# Altium PCB RevA2.PcbDoc (part 5 of 6) (continued)
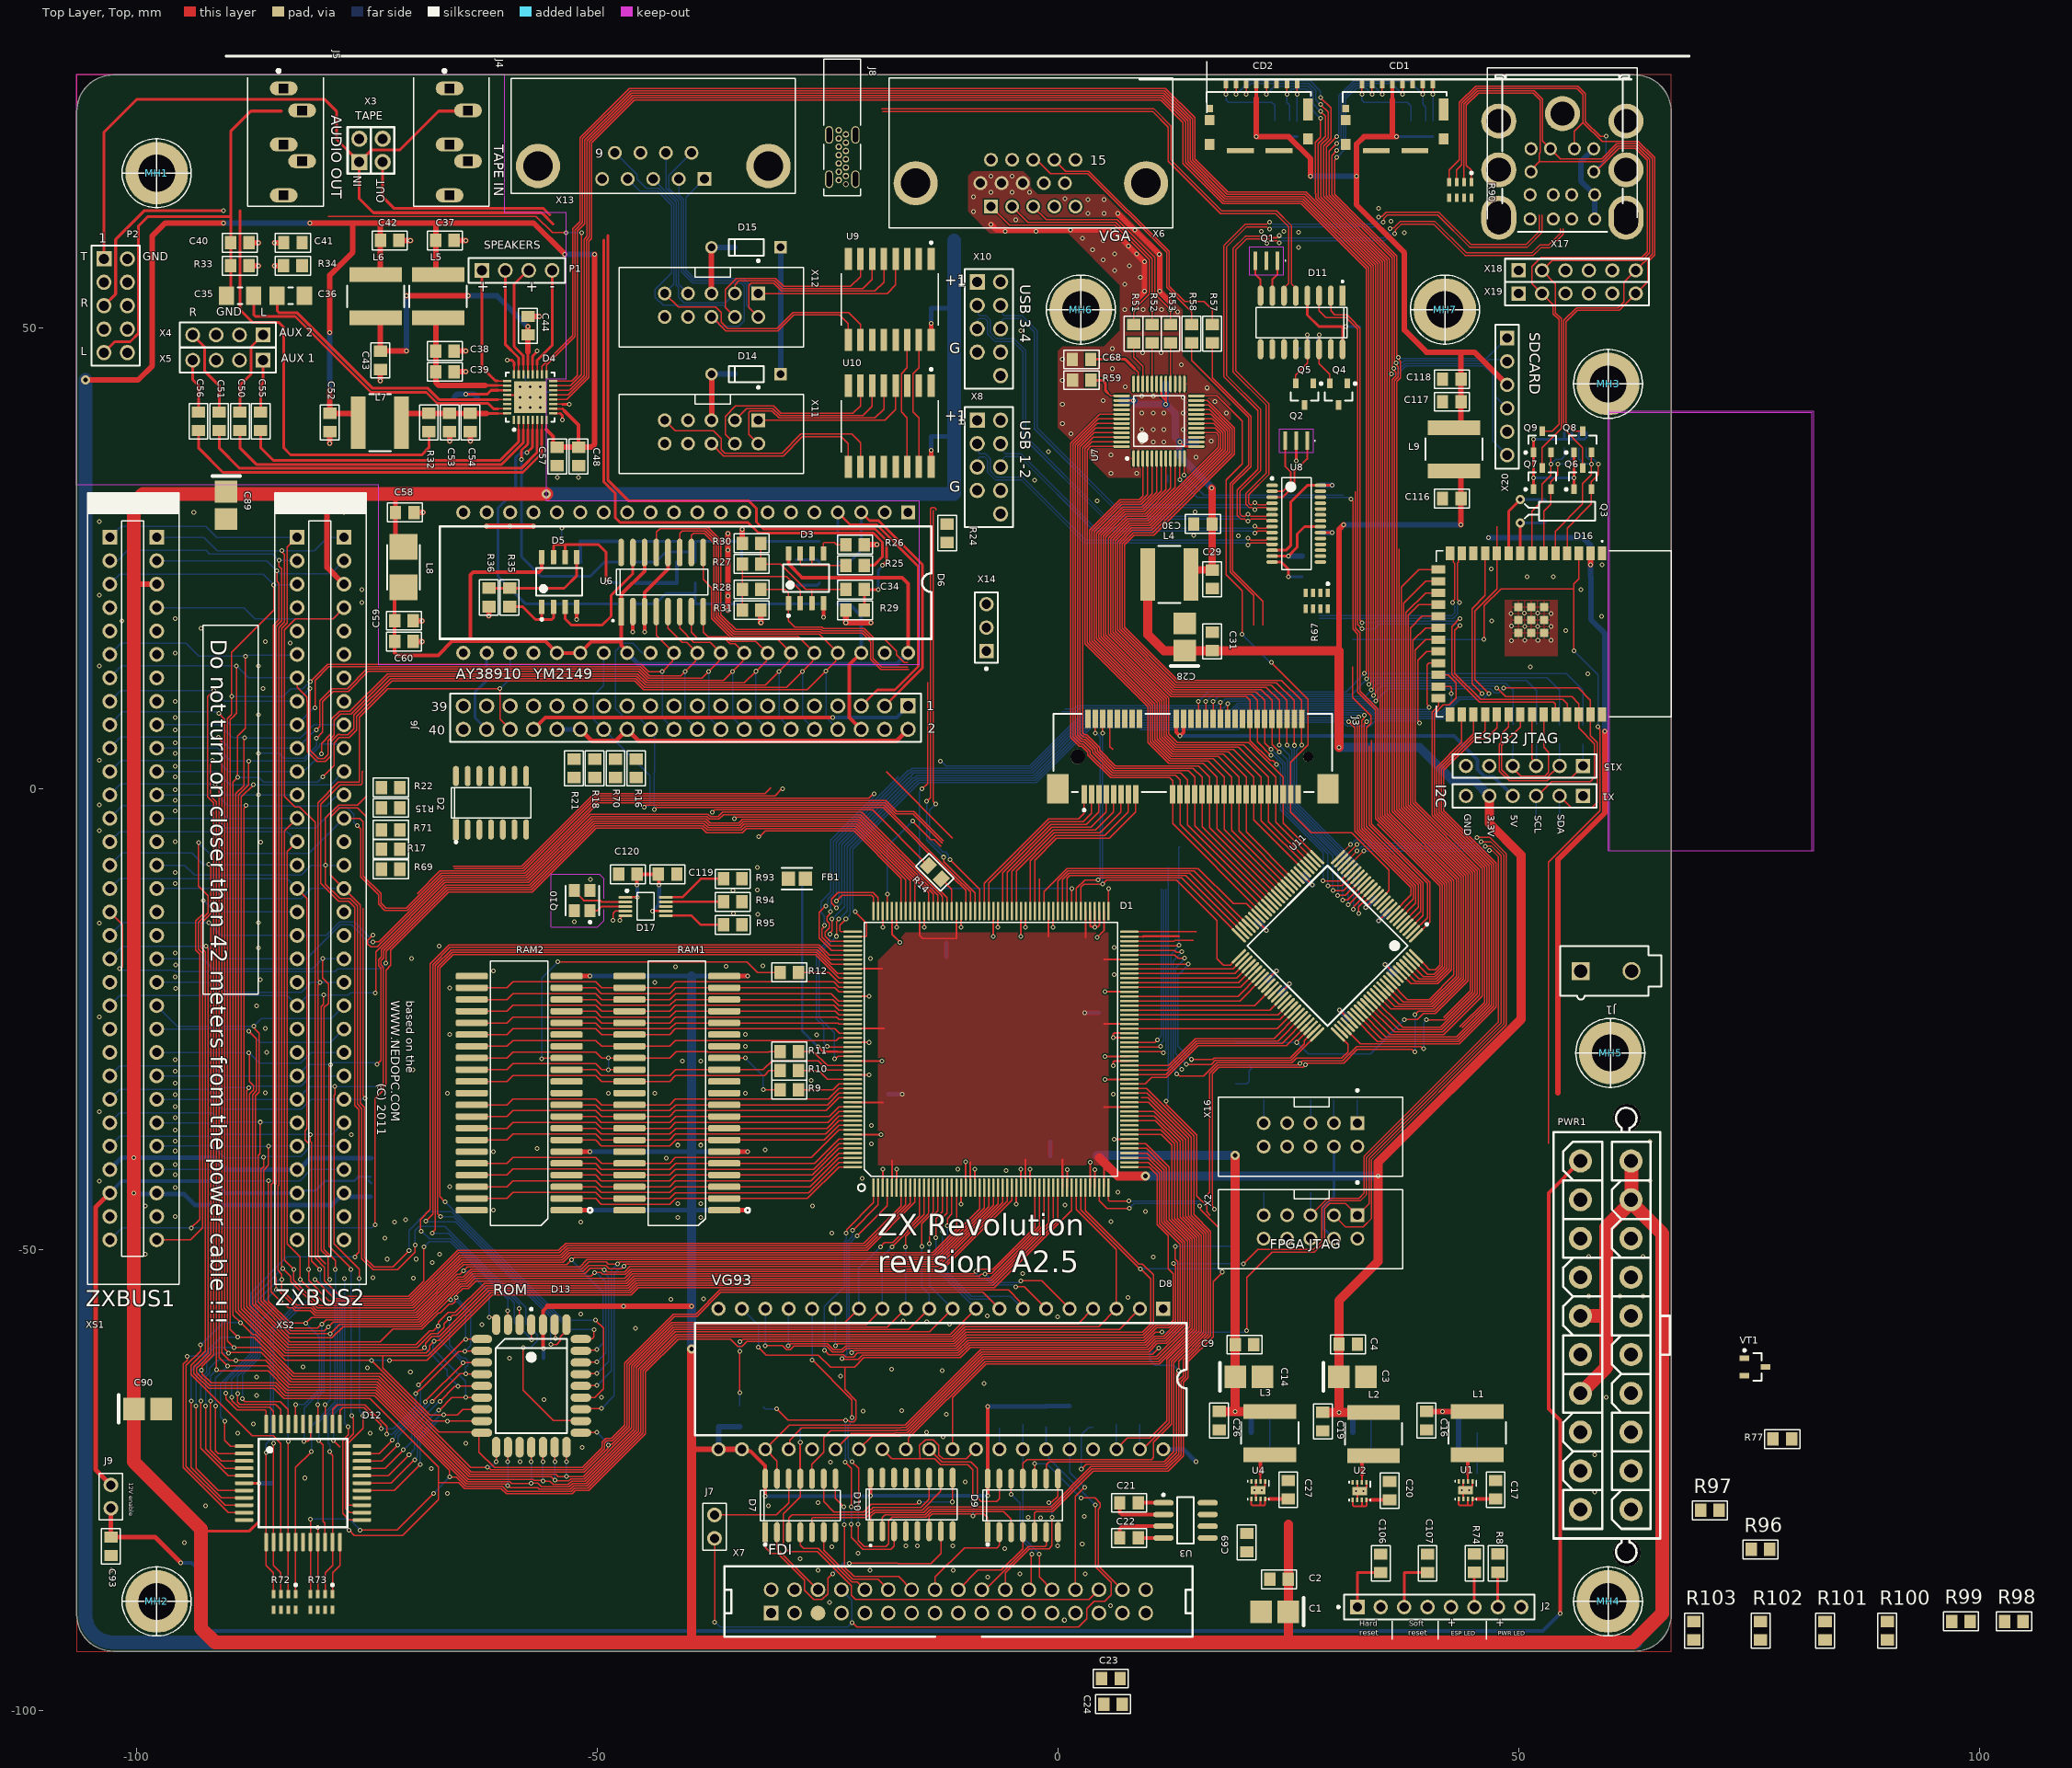
[diagram p0: Top Layer, Top view]
## Nets (pads, with @x,y where several pads share a name; then routed paths per layer and width w, separated by ;. In a path a pad name is that pad's centre, name@x,y a point inside that pad or via, vN(x,y) a via of type N, cw(c..) or ccw(c..) an arc to the next point about the centre after c; other vN are vias at no path point) (continued)
RD14: D1.205 RAM1.40 RAM2.40 | length 43.4
  Top Layer, Top w0.127: RAM2.40@-63.587,-43.16 -59.75,-43.16 -59.106,-42.516 -50.144,-42.516 -49.5,-43.16 RAM1.40@-46.487,-43.16 -42.125,-43.16 -41.491,-42.526 -26.776,-42.526 -23.75,-39.5 D1.205@-22.25,-39.5
RD15: D1.207 RAM1.41 RAM2.41 | length 43.5
  Top Layer, Top w0.127: RAM2.41@-63.587,-44.43 -59.75,-44.43 -59.106,-43.786 -50.144,-43.786 -49.5,-44.43 RAM1.41@-46.487,-44.43 -42.125,-44.43 -41.491,-43.796 -27.046,-43.796 -23.749,-40.5 D1.207@-22.25,-40.5
RES_1: D1.142 D2.3 R21.1 | length 27.4
  Top Layer, Top w0.127: v1(-35.093,-3.241) -35.042,-3.241 -34.833,-3.032 -21.491,-3.032 -13,-11.523 D1.142@-13,-13.25
RI_TTL: D11.11
right_ch1_3: C49.1 C63.2 R37.2 R45.1 R47.1 | length 16.5
  Bottom Layer, Bottom w0.3: C49.1@-45.801,20.095 -43.625,20.095 -42.5,21.22 -39.351,21.22 ; R37.2@-39.351,22.345 -39.351,21.22 ; R47.1@-34.301,22.345 C63.2@-34.301,20.095 R45.1@-39.351,20.095 -39.351,21.22
right_ch2_3: C51.2 D4.6 | length 41.5
  Top Layer, Top w0.127: -56.5,39 D4.6@-56.5,40.025
  Top Layer, Top w0.3: C51.2@-91,38.89 -91,37 -88.777,34.777 -58.225,34.777 -56.5,36.502 -56.5,39
right_ch3_3: C56.2 D4.7 | length 44.7
  Top Layer, Top w0.127: -56,39 D4.7@-56,40.025
  Top Layer, Top w0.3: C56.2@-93.25,38.89 -93.25,37 -90.6,34.35 -58.048,34.35 -56,36.398 -56,39
ROMPG2: D1.164 D13.2 | length 90.4
  Top Layer, Top w0.127: v1(-67.9,-48.2) -67.9,-48.107 -67.575,-47.782 -67.575,-19.191 -65.834,-17.449 -26.083,-17.449 -24.532,-19 D1.164@-22.25,-19 ; v1(-58.428,-56.379) -58.414,-56.393 -58.414,-57.798 D13.2@-58.388,-57.824
  Bottom Layer, Bottom w0.127: v1(-67.9,-48.2) -66.129,-48.2 -58.443,-55.886 -58.443,-56.365 v1(-58.428,-56.379)
ROMPG3: D1.163 D13.30 | length 99.4
  Top Layer, Top w0.127: v1(-68.6,-46.9) -67.829,-46.129 -67.829,-19.085 -65.939,-17.195 -25.977,-17.195 -24.673,-18.5 D1.163@-22.25,-18.5 ; v1(-55.005,-60.28) -54.982,-60.257 -54.405,-60.257 -53.979,-59.831 -53.979,-59.444 -53.306,-58.771 D13.30@-53.306,-57.858
  Bottom Layer, Bottom w0.127: v1(-68.6,-46.9) -68.525,-46.975 -67.603,-46.975 -67.594,-46.983 -65.354,-46.983 -57.008,-55.329 -55.029,-57.308 -55.029,-60.256 v1(-55.005,-60.28)
ROMPG4: D1.162 D13.1 | length 96.7
  Top Layer, Top w0.127: v1(-69.1,-48) -69.175,-47.925 -69.175,-46.725 -68.083,-45.633 -68.083,-18.98 -66.044,-16.941 -25.872,-16.941 -24.814,-18 D1.162@-22.25,-18 ; v1(-57.1,-59.75) -57.115,-59.735 -57.115,-57.857 D13.1@-57.1,-57.842
  Bottom Layer, Bottom w0.127: v1(-69.1,-48) -69,-48 -68.175,-48.825 -65.864,-48.825 -58.963,-55.725 -58.963,-57.887 v1(-57.1,-59.75)
ROUT_3: C36.1 D4.29 | length 30.6
  Top Layer, Top w0.127: -60.75,42.25 D4.29@-59.725,42.25
  Top Layer, Top w0.3: C36.1@-84.7,53.5 -84.7,51.853 -84.524,51.677 -82.567,51.677 -74.344,43.454 -68.354,43.454 -67.15,42.25 -60.75,42.25
ROUT_PH_3: C36.2 C41.2 J5.3 P2.5 R34.2 | length 20.7
  Top Layer, Top w0.3: P2.5@-103.5,52.42 -102.232,53.688 -102.232,59.609 -99.091,62.75 v1(-90.545,62.75)
RS_1: D13.29 R17.2 XS1.A16 XS2.A16 | length 111.6
  Top Layer, Top w0.127: -75.028,-3 -75.978,-2.05 -77.926,-2.05 -78.95,-3.073 -78.95,-9.32 XS2.A16@-77.46,-10.81 -76.685,-11.585 -76.671,-11.585 -75.68,-12.576 -75.68,-34.082 -75.225,-34.537 -75.225,-50.828 -74.188,-51.865 -72.165,-51.865 v1(-70.4,-50.1) ; D13.29@-51.385,-59.62 -50.488,-59.62 -50.317,-59.449 -50.317,-58.671 v1(-50.3,-58.653)
  Bottom Layer, Bottom w0.127: XS1.A16@-97.78,-10.81 -91.54,-10.81 -90.465,-11.885 -82.095,-11.885 -81.02,-10.81 XS2.A16@-77.46,-10.81 ; v1(-70.4,-50.1) -70.4,-47.887 -68.388,-45.875 -65.744,-45.875 -56.5,-55.119 -52.965,-58.653 v1(-50.3,-58.653)
RTS: D11.14 Q4.2 R80.4 | length 7.8
  Top Layer, Top w0.127: v1(28.35,49.25) D11.14@28.35,47.7 28.35,46.15 29.5,45 Q4.2@29.5,43.569
  Bottom Layer, Bottom w0.127: R80.4@28.1,47.75 28.1,48.989 28.35,49.239 v1(28.35,49.25)
S\D\0\_\S\S\E\L\_13: CD1.2 U11.92 | length 122.7
  Top Layer, Top w0.127: v1(19.35,75.35) CD1.2@19.35,76.5 ; v1(28.5,75) 29.625,73.875 29.625,70.542 28.844,69.761 28.844,64.288 35.745,57.388 35.745,-2.684 42.984,-9.923 42.984,-20.186 40.316,-22.854 37.93,-22.854 U11.92@36.051,-20.975
  Bottom Layer, Bottom w0.127: v1(19.35,75.35) 20.811,76.811 27.385,76.811 28.5,75.697 v1(28.5,75)
S\D\1\_\S\S\E\L\_13: CD2.2 U11.88 X20.1 | length 131
  Top Layer, Top w0.127: v1(30.269,68.5) 30.269,68.412 30.044,68.187 30.044,64.525 36.761,57.808 36.761,47.099 36.971,46.89 v1(36.971,46.838) 37.035,46.774 37.035,46.534 37.18,46.389 37.18,44.598 36.761,44.179 36.761,-2.263 44,-9.503 44,-20.606 40.737,-23.87 36.118,-23.87 U11.88@34.637,-22.389 ; v1(34.1,75.35) CD2.2@34.1,76.5
  Bottom Layer, Bottom w0.127: v1(30.269,68.5) 30.269,68.518 31.254,69.502 31.254,74.866 32.41,76.022 33.428,76.022 v1(34.1,75.35) ; v1(36.971,46.838) 37.068,46.838 37.231,46.675 46.51,46.675 X20.1@48.75,48.915
S\I\D\E\_6: D9.10 X7.32 | length 21.1
  Top Layer, Top w0.127: D9.10@-2.53,-74.82 -2.516,-74.805 v1(-2.516,-73.194) ; v1(2.5,-76.913) 4.052,-76.913 4.609,-77.47 4.609,-77.905 4.384,-78.13 4.384,-84.258 X7.32@6.995,-86.87
  Bottom Layer, Bottom w0.127: v1(-2.516,-73.194) -1.219,-73.194 v1(2.5,-76.913)
S\O\F\T\R\S\T\_1: U8.17 U11.4 | length 34.2
  Top Layer, Top w0.127: v1(33.493,7.286) 33.493,7.268 33.25,7.025 33.25,-4.184 39.348,-10.282 39.348,-13.294 U11.4@37.819,-14.823
  Bottom Layer, Bottom w0.127: v1(33.493,7.286) 33.544,7.286 33.888,7.629 42.153,7.629
S\P\I\_\S\L\A\V\E\_\I\R\Q\_1: D1.159 D16.25 | length 90.6
  Top Layer, Top w0.127: v1(-24.661,-13.326) -24.747,-13.412 -24.747,-13.624 -24.776,-13.653 -25.025,-13.902 -25.025,-14.337 -24.8,-14.562 -24.8,-15.065 -25.252,-15.518 -25.252,-15.952 -24.705,-16.5 D1.159@-22.25,-16.5 ; D16.25@41.312,11.11 42.562,11.11 42.688,10.984 v1(42.688,10.359)
  Bottom Layer, Bottom w0.127: v1(-24.661,-13.326) -24.661,-12.045 -24.051,-11.435 -24.051,-5.801 -16.28,1.97 -16.085,1.97 -15.831,2.224 -2.961,2.224 3.031,8.217 18.791,8.217 19.593,9.019 33.907,9.019 34.535,8.391 41.59,8.391 42.688,9.49 v1(42.688,10.359)
S\P\I\_\S\L\A\V\E\_\S\S\E\L\_1: D1.182 U11.5 | length 114.5
  Top Layer, Top w0.127: v1(-25.018,-27.925) -24.943,-28 D1.182@-22.25,-28 ; v1(-24.727,-15.735) -24.727,-15.613 -24.5,-15.386 v1(-24.5,-14.119) ; v1(33.25,8) 33.216,7.966 33.216,7.665 32.996,7.444 32.996,-4.29 39.094,-10.387 39.094,-12.841 U11.5@37.466,-14.469
  Bottom Layer, Bottom w0.127: v1(-25.018,-27.925) -25.42,-27.523 -25.42,-25.704 -26.169,-24.955 -26.169,-17.703 -24.727,-16.261 v1(-24.727,-15.735) ; v1(-24.5,-14.119) -23.151,-12.77 -23.151,-6.174 -15.769,1.208 -15.574,1.208 -15.32,1.462 -2.646,1.462 3.347,7.455 19.106,7.455 19.909,8.257 32.99,8.257 33.247,8 v1(33.25,8)
S\T\A\T\U\S\_1: D1.52 D16.12 R87.1 | length 121.1
  Top Layer, Top w0.127: D1.52@5.5,-43.25 5.5,-44.613 5.588,-44.701 v1(7.704,-44.701) ; v1(16.997,-45.563) 16.997,-45.475 16.772,-45.25 16.772,-30.908 17.468,-30.212 25.734,-30.212 25.736,-30.213 26.595,-30.213 v1(26.873,-29.936) ; v1@26.918,-29.942 27.134,-29.726 31.015,-29.726 32.495,-28.247 38.437,-28.247 38.69,-28.5 v1(38.75,-28.5) ; 37.015,26.048 37.015,-2.158 44.254,-9.397 44.254,-20.712 40.842,-24.124 39.121,-24.124 v1(38.748,-24.497)
  Bottom Layer, Bottom w0.127: v1(7.704,-44.701) 16.135,-44.701 v1(16.997,-45.563) ; 19.25,-32 20.5,-32 20.75,-31.75 20.75,-30.579 21.116,-30.213 26.595,-30.213 v1(26.873,-29.936) ; v1(38.748,-24.497) 38.75,-24.499 v1(38.75,-28.5)
S\T\E\P\_6: D9.6 X7.20 | length 10.5
  Top Layer, Top w0.127: X7.20@-8.245,-86.87 -8.093,-86.718 -7.736,-86.718 -3.189,-82.171 -1.394,-82.171 -1.26,-82.037 D9.6@-1.26,-80.52
SCLK_1: J3.10 U11.1 | length 24.4
  Top Layer, Top w0.127: 34.012,5.273 34.012,-3.809 34.406,-4.203 40.349,-10.146 40.349,-14.415 39.799,-14.964 U11.1@38.88,-15.884
SD0_MISO_13: CD1.7 R91.3 U11.97 | length 114.1
  Top Layer, Top w0.127: v1(24.85,75.35) CD1.7@24.85,76.5 ; v1@28.5,72.737 28.5,70.689 27.945,70.134 27.945,64.582 27.991,64.536 27.991,64.065 34.983,57.072 34.983,-3 42.222,-10.239 42.222,-19.415 41.027,-20.61 39.222,-20.61 U11.97@37.819,-19.207
  Bottom Layer, Bottom w0.127: R91.3@25.15,72.49 25.15,74.2 24.85,74.5 v1(24.85,75.35) 25.411,75.911 27.013,75.911 27.375,75.549 27.375,73.883 28.5,72.758 v1(28.5,72.75)
SD0_MOSI_13: CD1.3 U11.95 | length 118.8
  Top Layer, Top w0.127: v1(20.45,75.35) CD1.3@20.45,76.5 ; v1(28.5,74.25) 28.5,74.242 29.325,73.417 29.325,70.666 28.544,69.885 28.544,64.229 35.491,57.282 35.491,-2.789 42.73,-10.029 42.73,-19.625 41.238,-21.118 38.316,-21.118 U11.95@37.112,-19.914
  Bottom Layer, Bottom w0.127: v1(20.45,75.35) 20.45,76.026 20.935,76.511 27.261,76.511 27.975,75.797 27.975,74.783 28.5,74.258 v1(28.5,74.25)
SD0_SCLK_13: CD1.5 U11.96 | length 114.8
  Top Layer, Top w0.127: v1(22.65,75.35) CD1.5@22.65,76.5 ; v1(28.5,73.5) 28.5,73.492 29.025,72.967 29.025,70.79 28.245,70.01 28.245,64.17 35.237,57.177 35.237,-2.895 42.476,-10.134 42.476,-19.52 41.132,-20.864 38.769,-20.864 U11.96@37.466,-19.561
  Bottom Layer, Bottom w0.127: v1(22.65,75.35) 23.511,76.211 27.137,76.211 27.675,75.673 27.675,74.325 v1(28.5,73.5)
SD1_MISO_13: CD2.7 R92.3 U11.91 X20.6 | length 147.4
  Top Layer, Top w0.127: v1(30.263,70.75) 30.257,70.75 29.144,69.637 29.144,64.347 35.999,57.493 35.999,45.312 36.075,45.236 ; U11.91@35.698,-21.328 37.477,-23.108 40.421,-23.108 43.238,-20.291 43.238,-9.818 35.999,-2.579 35.999,44.739 36.112,44.852 36.112,45.096 v1@36.104,45.105 ; 36.075,45.234 36.205,45.105 v1@36.104,45.105 ; v1(36.209,45) v1@36.104,45.105 ; v1(39.6,75.35) CD2.7@39.6,76.5
  Bottom Layer, Bottom w0.127: v1(30.263,70.75) 30.263,70.788 30.492,71.017 30.492,75.182 32.094,76.784 38.166,76.784 v1(39.6,75.35) 39.6,74.3 39.9,74 R92.3@39.9,72.458 ; v1(36.209,45) 36.852,45 37.764,45.913 46.263,45.913 47.2,44.976 47.2,37.765 X20.6@48.75,36.215
SD1_MOSI_13: CD2.3 U11.89 X20.2 | length 131.4
  Top Layer, Top w0.127: v1(30.259,69.25) 30.259,69.232 29.744,68.717 29.744,64.466 36.507,57.703 36.507,46.458 36.717,46.248 v1(36.717,46.197) 36.788,46.125 36.788,45.928 36.803,45.914 36.926,45.79 36.926,44.703 36.507,44.284 36.507,-2.369 43.746,-9.608 43.746,-20.501 40.632,-23.616 36.571,-23.616 U11.89@34.991,-22.036 ; v1(35.2,75.35) CD2.3@35.2,76.5
  Bottom Layer, Bottom w0.127: v1(30.259,69.25) 30.259,69.267 31,70.007 31,74.972 32.304,76.276 34.274,76.276 v1(35.2,75.35) ; v1(36.717,46.197) 36.744,46.224 37.357,46.224 37.554,46.421 46.615,46.421 46.784,46.59 48.535,46.59 X20.2@48.75,46.375
SD1_SCLK_13: CD2.5 U11.90 X20.4 | length 137.4
  Top Layer, Top w0.127: v1(30.25,70) 30.25,69.983 29.444,69.178 29.444,64.407 36.253,57.598 36.253,45.859 36.401,45.712 36.401,45.463 36.496,45.463 36.534,45.426 36.534,45.33 36.672,45.192 36.672,44.808 36.253,44.389 36.253,-2.474 43.492,-9.713 43.492,-20.396 40.527,-23.362 37.024,-23.362 U11.90@35.344,-21.682 ; v1@36.463,45.463 v1(36.463,45.598) ; v1(37.4,75.35) CD2.5@37.4,76.5
  Bottom Layer, Bottom w0.127: v1@30.255,70 30.746,70.491 30.746,75.077 32.199,76.53 36.22,76.53 v1(37.4,75.35) ; v1(36.463,45.598) 37.091,45.598 37.659,46.167 46.433,46.167 47.5,45.1 47.5,42.545 X20.4@48.75,41.295
SDVCC_3V3: C117.1 C118.1 CD1.4 CD2.4 L9.2 R91.5 R91.6 R91.7 R91.8 R92.5 R92.6 R92.7 R92.8 X20.3 | length 82.8
  Top Layer, Top w0.4: 21.55,74.89 CD1.4@21.55,76.5 ; 36.3,74.75 CD2.4@36.3,76.5
  Top Layer, Top w0.6: 21.55,74.89 v1(21.55,70.75) 25.053,70.75 27.42,68.383 v1(27.42,66.5) ; 36.3,74.75 36.3,70.75 ; v1(36.732,70.75) 36.3,70.75 ; L9.2@43,39.2 43.25,39.2 43.75,39.7 C117.1@43.75,42 C118.1@43.75,44.445 43.75,47.375 ; X20.3@48.75,43.835 45.21,47.375 43.75,47.375 ; 36.3,70.75 33.214,70.75 32.407,69.943 v1(32.407,66.5) 32.407,63.36 37.608,58.159 37.608,49.767 40,47.375 43.75,47.375
  Bottom Layer, Bottom w0.3: v1(21.55,70.75) 24.917,70.75 24.925,70.758 R91.5@25.95,70.758 ; v1@36.74,70.758 R92.5@40.7,70.758
  Bottom Layer, Bottom w0.6: v1(27.42,66.5) v1(32.407,66.5) ; v1(36.732,70.75) v1@36.74,70.758
SPI_EXT.S\S\E\L\_1: J3.16 U11.100 | length 21.5
  Top Layer, Top w0.127: 34.692,-3.787 40.349,-9.443 41.46,-10.555 41.46,-11.111 41.46,-19.099 40.963,-19.596 40.817,-19.596 40.329,-19.596 39.799,-19.066 U11.100@38.88,-18.146
SPI_HOST.MISO_1: D1.115 U11.48 | length 26
  Top Layer, Top w0.127: D1.115@0.5,-13.25 0.5,-9.848 1.202,-9.146 14.323,-9.146 U11.48@20.354,-15.177
SPI_HOST.MOSI_1: D1.116 U11.47 | length 26.9
  Top Layer, Top w0.127: D1.116@0,-13.25 0,-9.989 1.097,-8.892 14.776,-8.892 U11.47@20.707,-14.823
SPI_HOST.S\S\E\L\_1: D1.119 U11.44 | length 28.5
  Top Layer, Top w0.127: D1.119@-1.5,-13.25 -1.5,-11.129 0.991,-8.638 15.229,-8.638 19.038,-12.447 20.452,-12.447 U11.44@21.768,-13.762
SPI_HOST.SCLK_1: D1.114 U11.49 | length 25.2
  Top Layer, Top w0.127: D1.114@1,-13.25 1,-9.707 1.307,-9.4 13.87,-9.4 U11.49@20,-15.53
SPI_SLAVE.MISO_1: D1.158 U11.8 | length 95.5
  Top Layer, Top w0.127: D1.158@-22.25,-16 -20.838,-16 -20.75,-15.912 -20.75,-14.576 v1(-22,-13.326) ; v1(31.565,7.286) 31.57,7.286 32.234,6.622 32.234,-4.605 38.332,-10.703 38.332,-11.482 U11.8@36.405,-13.409
  Bottom Layer, Bottom w0.127: v1(-22,-13.326) -22,-13.263 -22.25,-13.013 -22.25,-6.546 -15.004,0.7 -2.33,0.7 3.662,6.693 19.422,6.693 20.224,7.495 31.304,7.495 31.514,7.286 v1(31.565,7.286)
SPI_SLAVE.MOSI_1: D1.157 U11.7 | length 96.1
  Top Layer, Top w0.127: v1(-23,-14.119) -23.634,-14.753 -23.634,-15.412 -23.546,-15.5 D1.157@-22.25,-15.5 ; v1(32.215,7.296) 32.488,7.024 32.488,-4.5 38.586,-10.598 38.586,-11.935 U11.7@36.758,-13.762
  Bottom Layer, Bottom w0.127: v1(-23,-14.119) -22.55,-13.669 -22.55,-6.421 -15.429,0.7 -15.364,0.7 -15.11,0.954 -2.435,0.954 3.557,6.947 19.317,6.947 20.119,7.749 31.762,7.749 v1(32.215,7.296)
SPI_SLAVE.SCLK_1: D1.184 U11.6 | length 113.6
  Top Layer, Top w0.127: v1(-24.227,-29.25) -24.105,-29.25 -23.855,-29 D1.184@-22.25,-29 ; v1(-24.017,-15.975) -24.017,-14.432 -23.75,-14.165 v1(-23.75,-14.119) ; v1(32.634,7.794) 32.634,7.693 32.742,7.584 32.742,-4.395 38.84,-10.493 38.84,-12.04 38.84,-12.388 U11.6@37.112,-14.116
  Bottom Layer, Bottom w0.127: -25.869,-24.768 -25.869,-17.827 v1(-24.017,-15.975) ; -25.824,-24.875 -24.227,-26.473 v1(-24.227,-29.25) ; v1(-23.75,-14.119) -22.85,-13.219 -22.85,-6.297 -15.599,0.954 -15.469,0.954 -15.215,1.208 -2.541,1.208 3.452,7.201 19.211,7.201 20.014,8.003 32.373,8.003 32.582,7.794 v1(32.634,7.794)
  Bottom Layer, Bottom w0.15: -25.869,-24.768 ccw(c-25.719,-24.768) -25.824,-24.875
SPK_LN_3: D4.23 P1.2 | length 11.9
  Top Layer, Top w0.127: D4.23@-58.5,45 -58.5,46.025
  Top Layer, Top w0.3: P1.2@-59.96,56.25 -59.96,48.235 -58.5,46.775 -58.5,46.025
SPK_LP_3: D4.25 P1.1 | length 13.9
  Top Layer, Top w0.127: -60.775,44.25 D4.25@-59.75,44.25
  Top Layer, Top w0.3: P1.1@-62.5,56.25 -62.5,45.75 -61,44.25 -60.775,44.25
SPK_RN_3: D4.19 P1.4 | length 11.9
  Top Layer, Top w0.127: D4.19@-56.5,44.975 -56.5,46
  Top Layer, Top w0.3: -56.5,46 -56.5,46.5 -54.88,48.12 P1.4@-54.88,56.25
SPK_RP_3: D4.22 P1.3 | length 12.3
  Top Layer, Top w0.127: D4.22@-58,45 -58,46.025
  Top Layer, Top w0.3: -58,46.025 -58,47 -59,48 -59,54.75 P1.3@-57.5,56.25
SPKGND: C37.2 C38.2 C39.2 C42.2 C43.2 C44.2 D4.20 D4.24 NT2.2 | length 12.4
  Top Layer, Top w0.127: -59,45.85 -58.975,45.875
  Top Layer, Top w0.2: D4.24@-59,44.975 -59,45.85 ; D4.20@-57,44.975 -57,46
  Top Layer, Top w0.3: v1(-59.725,46.5) -59.225,46.5 -58.992,46.267 -58.992,45.892 ; -57,46 -57,46.939 -56.5,47.439 v1(-56.5,47.5)
  Top Layer, Top w0.6: v1(-73.5,44.25) C43.2@-73.5,45.5 ; C42.2@-71.5,59.5 v1(-70.25,59.5) ; C39.2@-65.5,45.25 v1(-64.226,45.25) ; C38.2@-65.5,47.5 v1(-64.226,47.5) ; C37.2@-65.5,59.5 v1(-64.25,59.5) ; C44.2@-57.5,51.25 v1(-56.25,51.25)
STB_3V3: C15.2 C16.1 C81.1 C104.1 C105.1 D11.4 D11.16 D16.2 J2.5 L1.2 R2.2 R80.1 R80.2 | length 97.9
  Top Layer, Top w0.3: D11.4@27.08,53.5 27.08,51.413 28.313,50.18 30.89,50.18 ; D11.16@30.89,47.7 30.89,50.18 ; v1(31.25,50.18) 30.89,50.18
  Top Layer, Top w0.6: C16.1@40,-67.525 v1(41.75,-67.525) L1.2@45.5,-67.525 ; 54.25,-32.962 54.25,-7.692 59.362,-2.58 v1(59.362,6.25) ; v1(57.795,24.309) 57.795,25.568 D16.2@57.802,25.575
  Bottom Layer, Bottom w0.3: R80.1@25.7,47.75 26.287,47.75 ; v1(31.25,50.18) C81.1@32.75,50.18
  Bottom Layer, Bottom w0.6: v1(41.75,-67.525) 43.5,-67.525 43.5,-71.05 C15.2@43.5,-72.075 ; v1(46.75,27.25) 56.989,27.25 57.795,26.444 v1(57.795,24.309) 57.802,24.302 C105.1@57.802,23 ; C105.1@57.849,23 57.849,18.364 59.362,16.851 v1(59.362,6.25)
STEP_1: D1.46 D8.15 D9.5 | length 108.4
  Top Layer, Top w0.127: v1(-24.137,-60.385) -24.086,-60.385 -23.876,-60.175 -11.228,-60.175 -9.971,-58.918 9.159,-58.918 10.062,-58.015 10.062,-53.156 v1(8.961,-52.054) 8.88,-52.054 2.5,-45.674 D1.46@2.5,-43.25 ; D9.5@-2.53,-80.52 -2.53,-78.56 -2.35,-78.38 -0.554,-78.38 3.82,-74.005 11.952,-74.005 13.614,-72.343 13.614,-64.354 14.109,-63.859 14.109,-62.142 16.841,-59.41 16.841,-53.46 v1@17.827,-52.474
  Bottom Layer, Bottom w0.127: v1(-24.137,-60.385) -24.128,-60.376 -24.128,-56.398 D8.15@-24.12,-56.39 ; v1(8.961,-52.054) 17.428,-52.054 17.771,-52.398 v1(17.827,-52.398)
T\R\0\0\_6: D8.34 R61.1 X7.26 | length 19.3
  Top Layer, Top w0.127: v1(-2.004,-83) -2.004,-85.491 X7.26@-0.625,-86.87
  Bottom Layer, Bottom w0.127: R61.1@-3.8,-68.902 D8.34@-3.8,-71.63 -3.8,-81.191 -2.004,-82.987 v1(-2.004,-83)
TAPE_BIT_1: D3.1 D16.23 R28.1 | length 83.7
  Top Layer, Top w0.127: R28.1@-32.23,21.65 -29.578,21.65 -29.23,21.302 D3.1@-29.23,20.15 -29.23,18.23 -28.556,17.556 -25.588,17.556 -25.432,17.4 -21,17.4 -19.789,16.19 -18.769,16.19 -17.52,14.94 -17.52,14.58 -16.675,13.735 -16.25,13.735 ; v1(40.308,8.855) 40.308,8.943 40.083,9.168 40.083,13.452 40.281,13.65 D16.23@41.312,13.65
  Bottom Layer, Bottom w0.127: v1(-12.75,3.025) -12.662,3.025 -12.115,2.478 -3.067,2.478 2.953,8.497 18.049,8.497 18.096,8.544 18.759,8.544 19.488,9.273 34.012,9.273 34.64,8.645 40.047,8.645 40.257,8.855 v1(40.308,8.855)
TAPE_IN_3: C34.1 J4.2 P2.1 R29.2 X3.1 | length 157.5
  Top Layer, Top w0.3: P2.1@-103.5,57.5 -103.5,71.25 -99.918,74.832 -79.582,74.832 -78.286,73.536 ; -78.25,73.5 -78.25,70.46 X3.1@-75.79,68 ; J4.2@-64.006,73.536 -67.192,73.536 -71.423,69.306 -74.484,69.306 X3.1@-75.79,68 ; -54.75,61.271 -55.988,62.51 -74.26,62.51 -75.79,64.04 X3.1@-75.79,68 ; -48.8,60.053 -48.8,33.481 -46.55,31.231 -33.496,31.231 -32.695,30.43 -32.695,28.963 -31.931,28.2 -19.828,28.2 -18.584,26.957 -18.584,24.7 v1(-19.034,24.25) ; R29.2@-21,19.39 C34.1@-21,21.63 v1(-19.5,21.63)
  Bottom Layer, Bottom w0.3: v1(-19.5,21.63) -19.5,23.703 -19.034,24.169 v1(-19.034,24.25)
TAPE_OUT_4: R25.2 X3.3 | length 87.4
  Top Layer, Top w0.3: X3.3@-73.25,68 -73.25,64.211 -71.998,62.96 -55.802,62.96 -55.107,62.265 ; -49.25,59.523 -49.25,33.295 -48.022,32.067 -48.022,29.423 -47.494,28.894 -47.197,28.894 -47.191,28.888 -33.593,28.888 -32.455,27.75 -20.014,27.75 -19.034,26.77 -19.034,25.184 -19.969,24.25 R25.2@-21,24.25
TAPE_OUT_BIT_1: D1.134 R24.2 | length 46.9
  Top Layer, Top w0.127: v1(-14.225,-1.35) -13.837,-0.962 -13.837,30.374 -13.661,30.55 -13.413,30.55 -13.237,30.374 -13.237,30.217 ; v1(-12.393,-7.393) -12.393,-7.872 -9,-11.265 D1.134@-9,-13.25
  Bottom Layer, Bottom w0.127: v1(-14.225,-1.35) -14.225,-5.561 v1(-12.393,-7.393)
TCK_FPGA_1: D1.1 R23.2 U11.24 X2.1 | length 155.9
  Top Layer, Top w0.127: v1(-25.311,-60.893) -24.848,-61.356 -23.236,-61.356 -22.982,-61.61 -22.169,-61.61 -21.75,-61.191 -10.808,-61.191 -9.689,-60.072 9.442,-60.072 10.589,-58.925 v1(11.282,-58.925) ; v1(-22.974,-48.172) -22.919,-48.117 -22.919,-47.785 -20,-44.867 D1.1@-20,-43.25
  Top Layer, Top w0.15: v1(20.5,-58.75) 20.5,-53 23.25,-50.25 27.825,-50.25 28.931,-49.145 28.931,-45.523 29.49,-44.963 31.213,-44.963 X2.1@32.5,-46.25 33.771,-44.979 33.771,-40.094 48.376,-25.49 48.376,-7.13 46.97,-5.724 45.937,-5.724 v1(45.922,-5.74) ; U11.24@30.748,-7.752 v1(32.48,-6.02)
  Bottom Layer, Bottom w0.127: v1(-25.311,-60.893) -25.322,-60.882 -25.322,-56.125 -23.171,-53.974 -23.171,-49.08 -22.974,-48.883 v1(-22.974,-48.172) ; v1(11.282,-58.925) 20.239,-58.925 20.414,-58.75 v1(20.5,-58.75)
  Bottom Layer, Bottom w0.15: v1(32.48,-6.02) 32.545,-6.02 32.743,-5.822 33.559,-5.822 33.91,-6.173 45.489,-6.173 v1(45.922,-5.74)
TDI_FPGA_1: D1.153 R20.2 X2.9 | length 57.4
  Top Layer, Top w0.127: D1.153@-18.5,-13.25 v1(-18.5,-11.401) ; v1(-15.75,-3.5) -13.75,-5.5 -13.432,-5.5 -12.682,-6.25 ; v1(11.737,-33.869) 11.799,-33.931 11.799,-34.249 15.055,-37.506 15.055,-44.142 16.145,-45.232 16.145,-45.879 16.517,-46.25
  Bottom Layer, Bottom w0.127: v1(-18.5,-11.401) -18.503,-11.398 -18.503,-6.253 v1(-15.75,-3.5) ; v1(11.737,-33.869) 11.737,-33.818 11.999,-33.556 11.999,-8.507
  Bottom Layer, Bottom w0.15: X2.9@22.34,-46.25 R20.2@22.34,-43.75
TDO_CPLD_1: U11.25 X2.3 | length 70.8
  Top Layer, Top w0.15: X2.3@29.96,-46.25 31.21,-47.5 33.139,-47.5 34.048,-46.591 34.048,-40.209 48.653,-25.604 48.653,-7.015 48.198,-6.56 46.902,-5.265 45.478,-5.265 v1(45.462,-5.28) ; U11.25@30.394,-7.398 v1(31.773,-6.02)
  Bottom Layer, Bottom w0.15: v1(31.773,-6.02) 31.809,-6.02 32.284,-5.545 33.726,-5.545 34.077,-5.896 44.847,-5.896 v1(45.462,-5.28)
TDO_FPGA_1: D1.4 U11.23 | length 150
  Top Layer, Top w0.127: v1(-22.361,-61.147) -22.309,-61.147 -22.1,-60.937 -10.913,-60.937 -9.794,-59.818 9.336,-59.818 10.724,-58.431 12.073,-58.431 12.777,-57.726 12.777,-51.794 12.566,-51.582 v1(12.566,-51.494) ; v1(-21.786,-48.479) -21.752,-48.479 -18.5,-45.226 D1.4@-18.5,-43.25 ; v1(20.15,-51.516) 21.693,-49.973
  Top Layer, Top w0.15: 21.693,-49.973 27.711,-49.973 28.654,-49.03 28.654,-45.408 29.376,-44.686 32.793,-44.686 33.494,-43.985 33.494,-39.98 48.099,-25.375 48.099,-7.245 47.038,-6.184 46.397,-6.184 v1(46.381,-6.199) ; U11.23@31.102,-8.106 v1(32.48,-6.727)
  Bottom Layer, Bottom w0.127: v1(-22.361,-61.147) -22.663,-60.845 -22.663,-49.356 v1(-21.786,-48.479) ; v1(12.566,-51.494) 15.399,-51.494 15.421,-51.516 v1(20.15,-51.516)
  Bottom Layer, Bottom w0.15: v1(32.48,-6.727) 32.516,-6.727 32.991,-6.252 33.597,-6.252 33.795,-6.45 46.119,-6.45 46.369,-6.199 v1(46.381,-6.199)
TMS_FPGA_1: D1.50 R19.2 U11.22 X2.5 | length 85.3
  Top Layer, Top w0.127: D1.50@4.5,-43.25 4.512,-43.261 4.512,-44.688 5.324,-45.5 v1(7.75,-45.5) ; v1(15.397,-45.226) 15.454,-45.283 15.454,-45.612 17.343,-47.5
  Top Layer, Top w0.15: X2.5@27.42,-46.25 29.261,-44.409 32.678,-44.409 33.217,-43.87 33.217,-39.865 47.822,-25.26 47.822,-7.36 47.167,-6.705 46.887,-6.705 v1(46.841,-6.659) ; U11.22@31.455,-8.459 v1(33.188,-6.727)
  Bottom Layer, Bottom w0.127: v1(7.75,-45.5) 8.295,-44.955 15.038,-44.955 15.309,-45.226 v1(15.397,-45.226)
  Bottom Layer, Bottom w0.15: X2.5@27.42,-46.25 R19.2@27.42,-43.75 ; v1(33.188,-6.727) 46.679,-6.727 46.746,-6.659 v1(46.841,-6.659)
USB1_8_n: U8.10 X8.3 | length 37.9
  Top Layer, Top w0.127: v1(20.625,27.226) 20.713,27.226 20.938,27.001 21.759,27.001 22.612,27.001 22.782,27.171 U8.10@23.25,27.171
  Bottom Layer, Bottom w0.15: X8.3@-8.75,37.46 -8.59,37.3 -8.59,36.428 -8.502,36.34 -7.841,36.34 -7.31,35.809 -7.31,34.464 -6.646,33.8 -3.8,33.8 2.999,27.001 20.312,27.001 20.537,27.226 v1(20.625,27.226)
USB1_8_p: U8.11 X8.5 | length 37.9
  Top Layer, Top w0.127: v1(20.625,26.476) 20.713,26.476 20.938,26.701 21.883,26.701 22.612,26.701 22.782,26.531 U8.11@23.25,26.531
  Bottom Layer, Bottom w0.15: X8.5@-8.75,34.92 -8.618,35.052 -8.618,35.882 -8.46,36.04 -7.965,36.04 -7.61,35.685 -7.61,34.34 -6.77,33.5 -3.924,33.5 2.874,26.701 20.312,26.701 20.537,26.476 v1(20.625,26.476)
USB2_8_n: U8.8 X8.4 | length 33.9
  Top Layer, Top w0.127: v1(21.381,28.506) 21.503,28.506 21.728,28.281 22.612,28.281 22.782,28.451 U8.8@23.25,28.451
  Bottom Layer, Bottom w0.15: X8.4@-6.21,37.46 -5.923,37.173 -5.923,36.601 -5.709,36.387 -4.036,36.387 4.07,28.281 21.068,28.281 21.293,28.506 v1(21.381,28.506)
USB2_8_p: U8.9 X8.6 | length 33.9
  Top Layer, Top w0.127: v1(21.381,27.756) 21.503,27.756 21.728,27.981 22.612,27.981 22.782,27.811 U8.9@23.25,27.811
  Bottom Layer, Bottom w0.15: X8.6@-6.21,34.92 -5.948,35.182 -5.948,35.843 -5.703,36.087 -4.16,36.087 3.946,27.981 21.068,27.981 21.293,27.756 v1(21.381,27.756)
USB3_8_n: U8.4 X10.4 | length 116.1
  Top Layer, Top w0.15: U8.4@23.25,31.011 22.782,31.011 22.612,30.841 22.136,30.841 21.694,30.841 21.469,31.066 v1(21.381,31.066) 21.293,31.066 21.068,30.841 20.863,30.841 20.713,30.992 20.713,31.931 22.925,34.143 22.925,41.75 19.3,45.375 19.3,58.5 20.451,59.651 22.878,59.651 23.039,59.49 23.784,59.49 24.009,59.265 v1(24.045,59.265) ; v1(36.569,60.259) 36.631,60.321 36.631,60.639 37.242,61.25 40.81,61.25 44.179,57.881 51.598,57.881 52.416,58.7 53.372,58.7 54.832,60.16 54.832,60.75
  Bottom Layer, Bottom w0.15: X10.4@-6.21,52.46 -5.993,52.243 -5.993,51.498 -5.851,51.356 -3.886,51.356 -2.25,49.72 -2.25,39.175 6.084,30.841 21.068,30.841 21.293,31.066 v1(21.381,31.066) ; v1(24.045,59.265) 24.089,59.265 24.308,59.483 35.476,59.483 36.189,60.197 36.507,60.197 v1(36.569,60.259)